# KiCad board motordriver.kicad_pcb
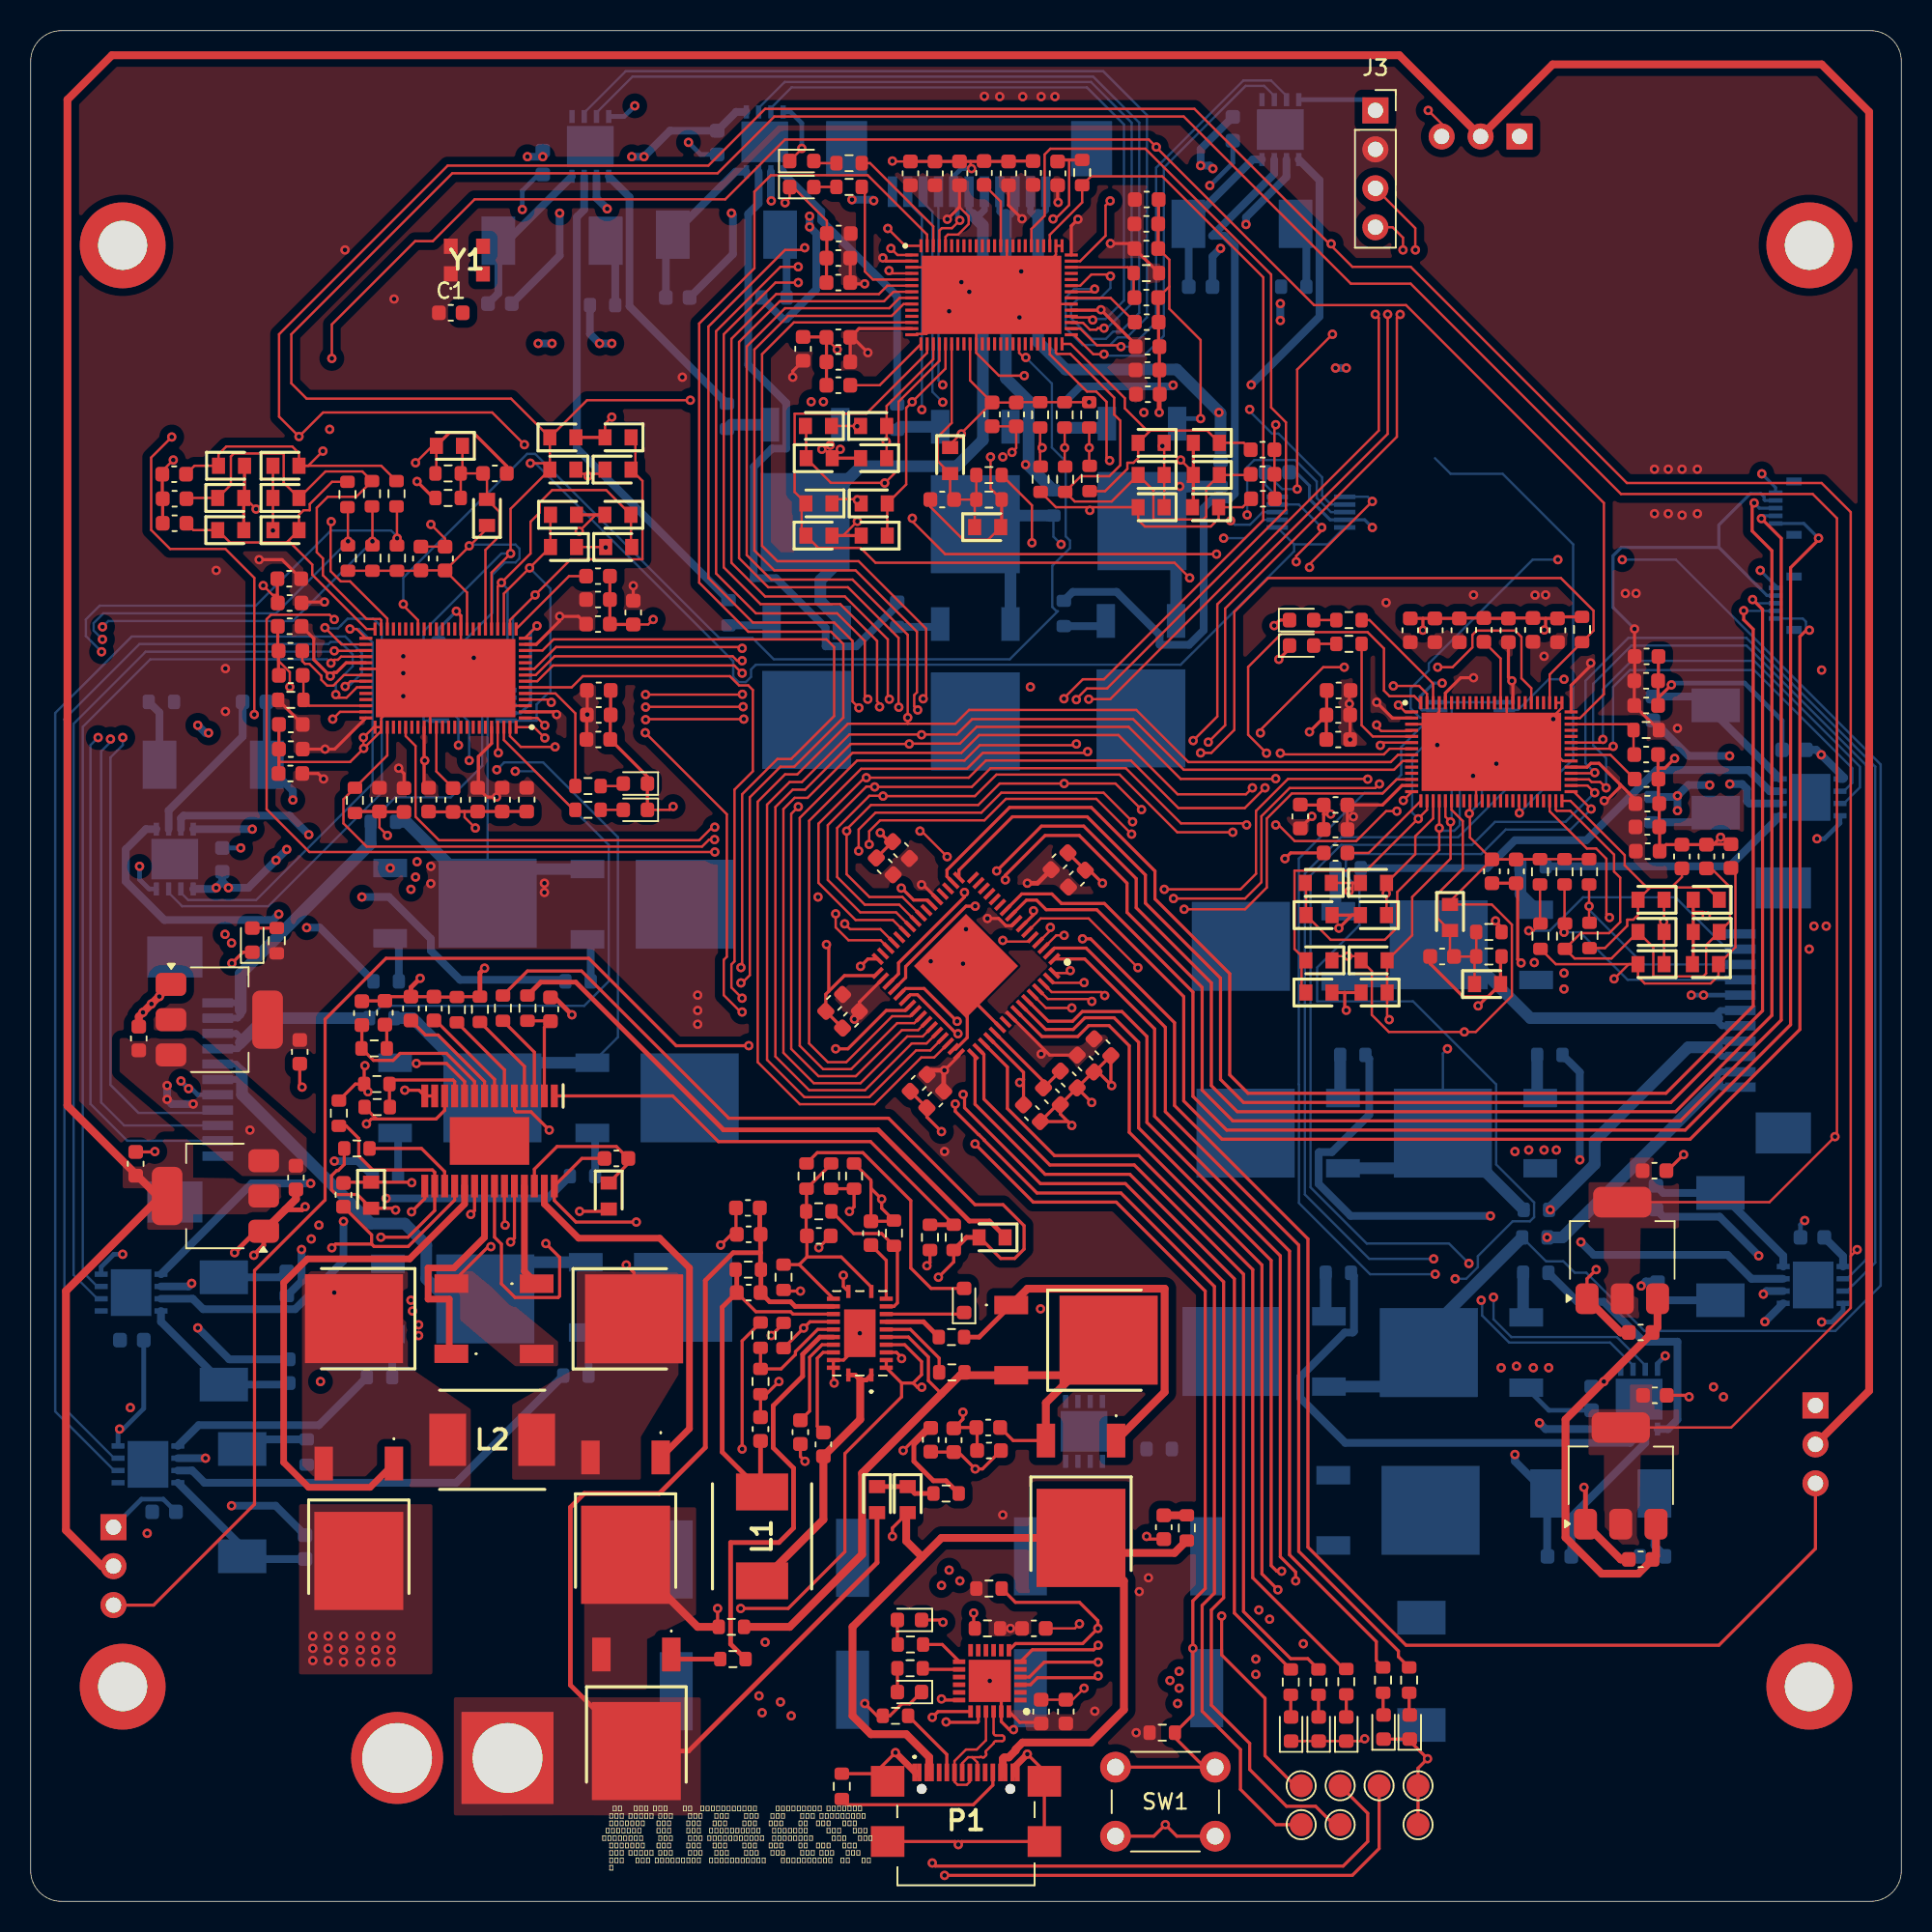
[diagram p0: board, top side]
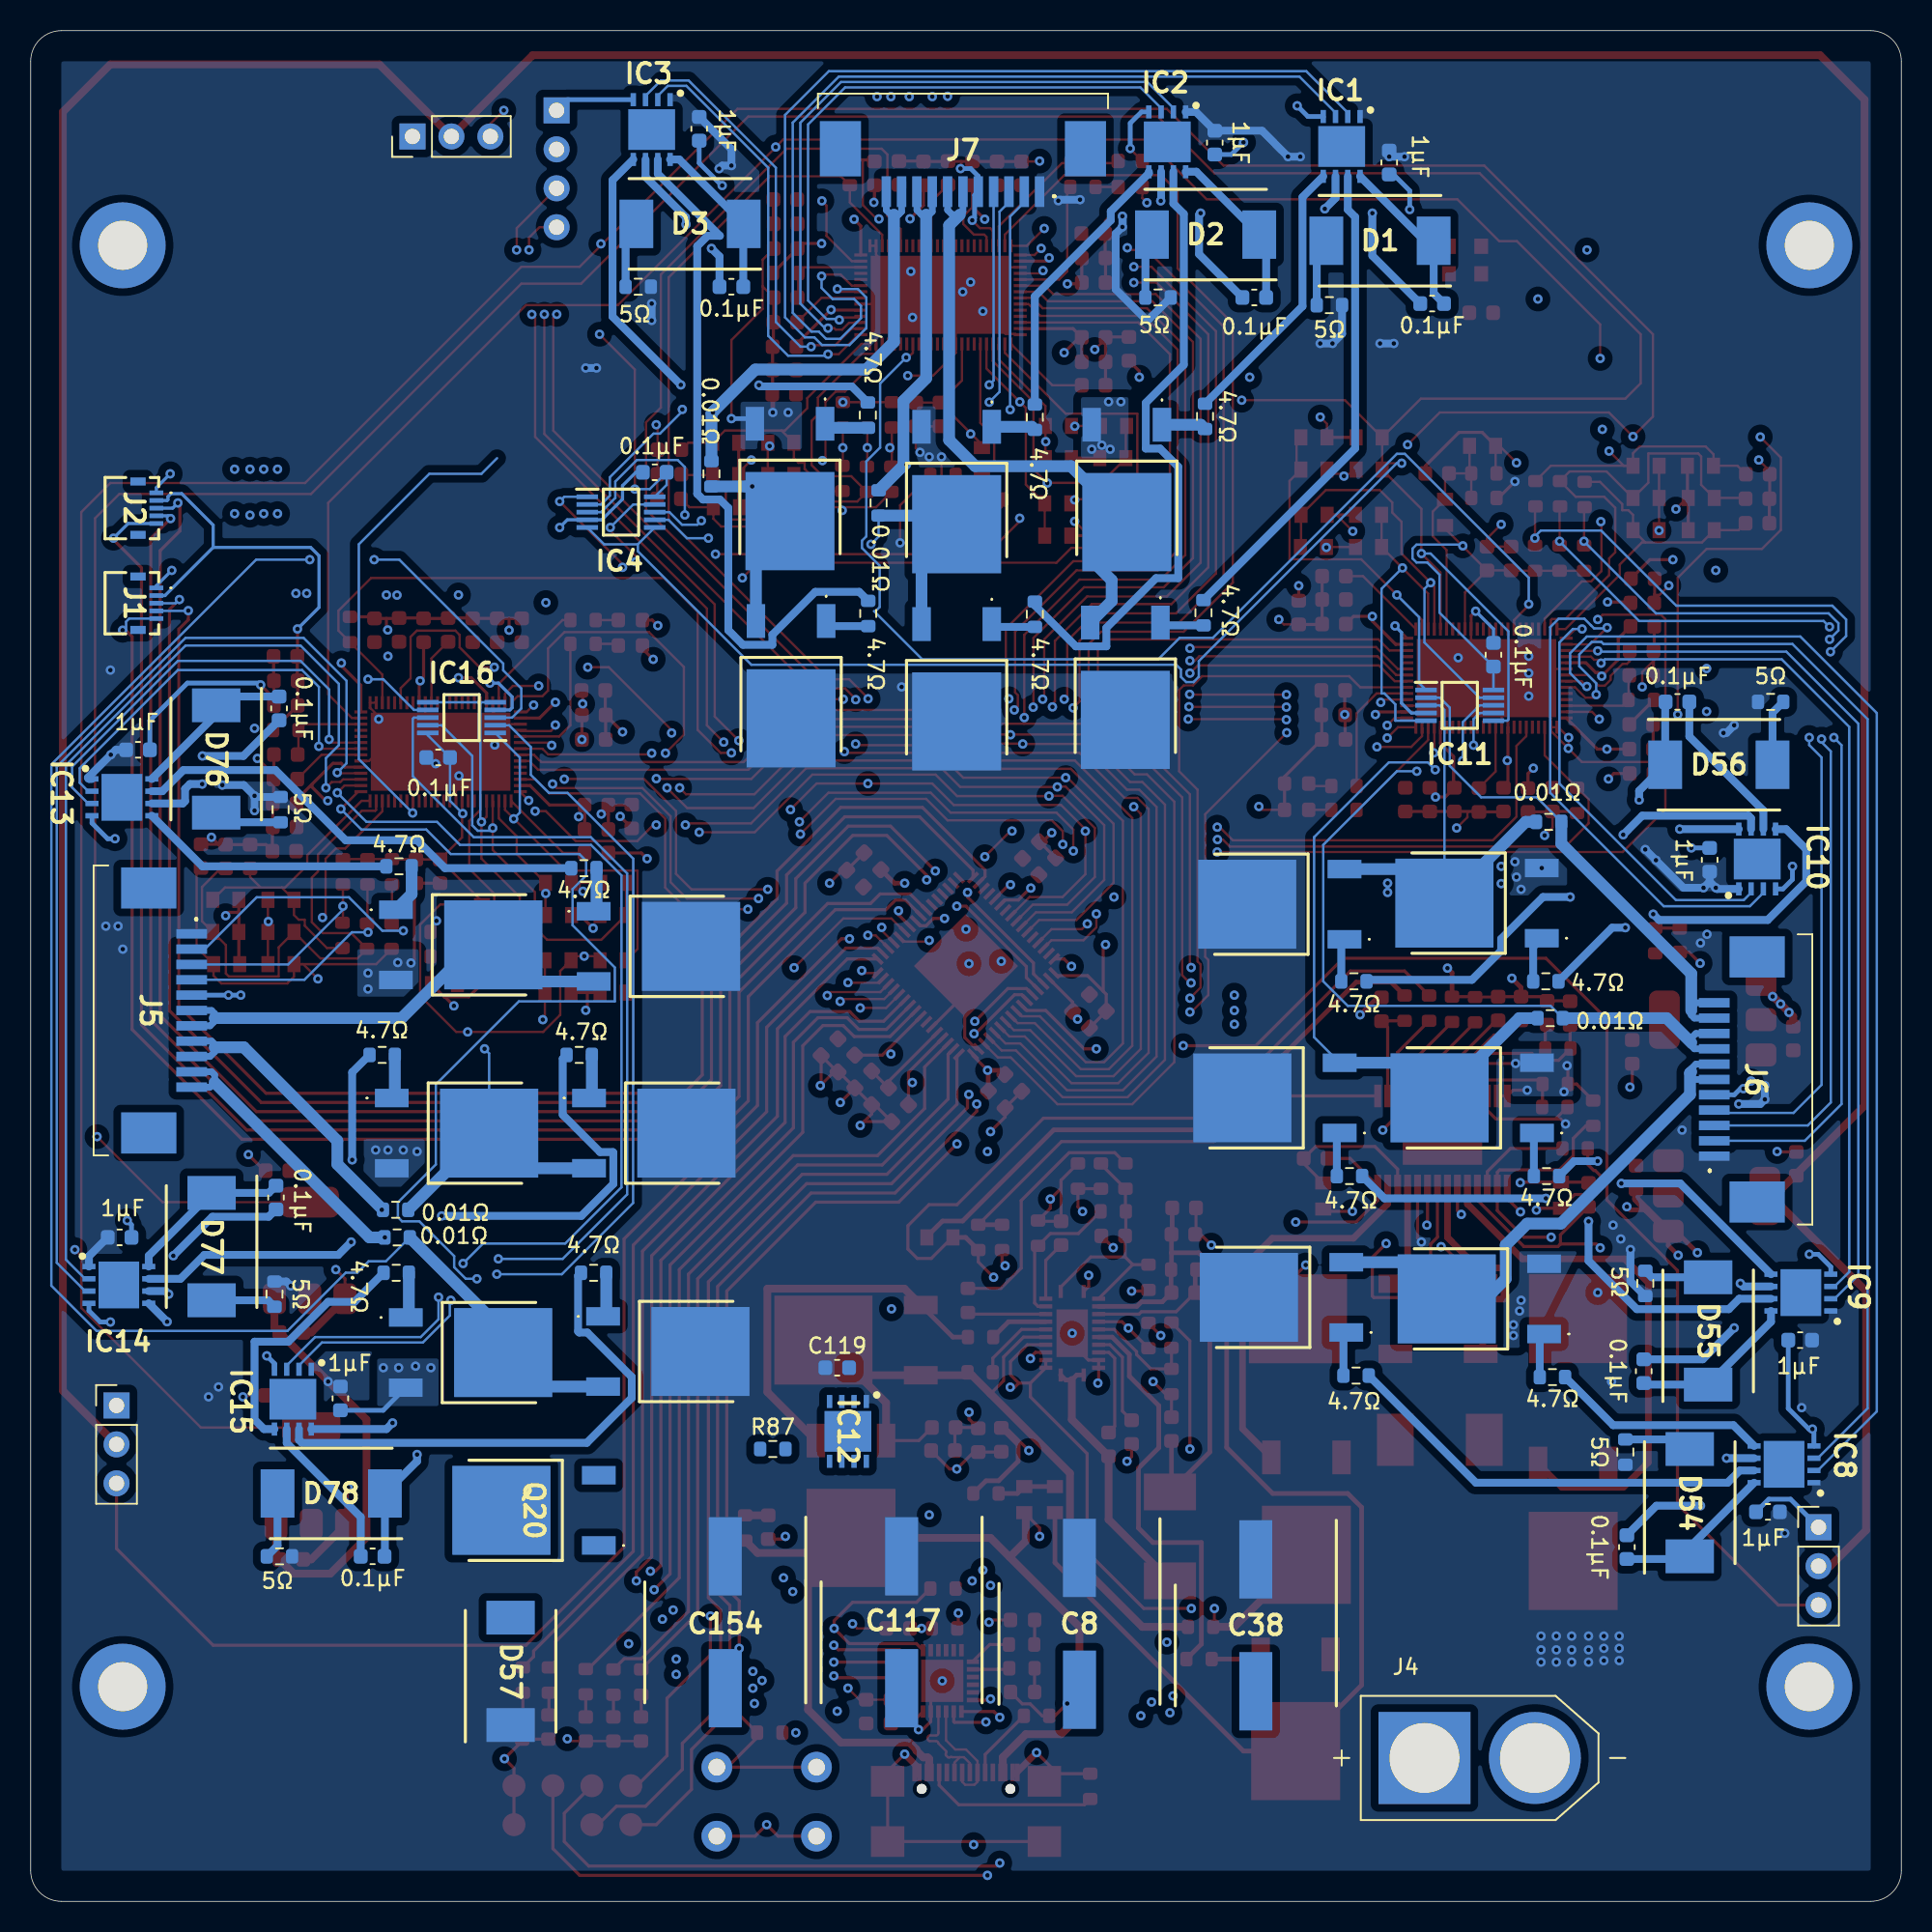
[diagram p1: board, bottom side, seen from below]

Outline 122 x 122 mm; copper layers: Top, In1.Cu, In2.Cu, Bottom. Coordinates in mm from the lower left corner of the outline.
Outline path: 0,120 arc(0.59,121.41) 2,122 120,122 arc(121.41,121.41) 122,120 122,2 arc(121.41,0.59) 120,0 2,0 arc(0.59,0.59) 0,2 0,120
Stack: Top 0.035mm / dielectric 0.1mm FR4 er 4.5 / In1.Cu 0.035mm / dielectric 1.24mm FR4 er 4.5 / In2.Cu 0.035mm / dielectric 0.1mm FR4 er 4.5 / Bottom 0.035mm

## Placement (name value [footprint] x y rotation side)
C1  10µF  [C_0603_1608Metric]  27.4 103.6 0 top
C2  0.1µF  [C_0603_1608Metric]  30.6 104.2 180 bottom
C3  1µF  [C_0603_1608Metric]  33.4 113.4 270 bottom
C4  0.1µF  [C_0603_1608Metric]  42.2 104.6 180 bottom
C5  1µF  [C_0603_1608Metric]  44.78 114.7 270 bottom
C6  0.1µF  [C_0603_1608Metric]  76.3 105.3 180 bottom
C7  1µF  [C_0603_1608Metric]  78.4 115.6 270 bottom
C8  220µF 35V  [CAPAE1050X1050N]  53.6 18.1 270 bottom
C9  0.1µF  [C_0603_1608Metric]  26.6 81.3 270 bottom
C10  100nF  [C_0603_1608Metric]  105 37.1 180 top
C11  2.2µF  [C_0603_1608Metric]  73.9 24.4 270 top
C12  2.2µF  [C_0603_1608Metric]  58.7 30.1 270 top
C13  10uF  [C_0603_1608Metric]  105.9 47.65 0 top
C14  10µF  [C_0603_1608Metric]  60.2 30.08 270 top
C15  0.1µF  [C_0603_1608Metric]  54.8 43.58 90 top
C16  100nF  [C_0603_1608Metric]  7.05 56.28 90 top
C17  0.1µF  [C_0603_1608Metric]  62.45 30.9 180 top
C18  1µF  [C_0603_1608Metric]  51.4 43.4 0 top
C19  1µF  [C_0603_1608Metric]  62.5 29.4 0 top
C20  10uF  [C_0603_1608Metric]  17.55 55.4 270 top
C21  0.047µF  [C_0603_1608Metric]  51.7 29.8 270 top
C22  100nF  [C_0603_1608Metric]  17.3 47.2 270 top
C23  1µF  [C_0603_1608Metric]  50.2 30.6 270 top
C24  0.1µF  [C_0603_1608Metric]  47.6 30.8 270 top
C25  0.1µF  [C_0603_1608Metric]  46.82 39.7 0 top
C26  10uF  [C_0603_1608Metric]  6.85 48.1 90 top
C27  10µF  [C_0603_1608Metric]  46.78 45.22 180 top
C28  100nF  [C_0603_1608Metric]  105 22.3 180 top
C29  10µF  [C_0603_1608Metric]  46.82 43.5 180 top
C30  10nF  [C_0603_1608Metric]  33.9 58.17 90 top
C31  10uF  [C_0603_1608Metric]  105.93 33 0 top
C32  33nF  [C_0603_1608Metric]  23.1 57.95 270 top
C33  470pF  [C_0603_1608Metric]  21.6 57.92 270 top
C34  15nF  [C_0603_1608Metric]  24.8 58.22 270 top
C35  100nF  [C_0603_1608Metric]  38.2 48.45 180 top
C36  220pF  [C_0603_1608Metric]  26.3 58.22 270 top
C37  100nF  [C_0603_1608Metric]  20.4 46.08 270 top
C38  220µF 35V  [CAPAE1050X1050N]  42.1 18 270 bottom
C39  100nF  [C_0603_1608Metric]  66.97 112.69 270 top
C40  100nF  [C_0603_1608Metric]  72.86 98.29 180 top
C41  100nF  [C_0603_1608Metric]  72.78 110.99 180 top
C42  100nF  [C_0603_1608Metric]  52.7 108.77 0 top
C43  100pF  [C_0603_1608Metric]  80.34 94.67 180 top
C44  100nF  [C_0603_1608Metric]  52.68 102 0 top
C45  100nF  [C_0603_1608Metric]  62.18 112.72 270 top
C46  100pF  [C_0603_1608Metric]  80.34 93.07 180 top
C47  100pF  [C_0603_1608Metric]  80.37 91.47 180 top
C48  100nF  [C_0603_1608Metric]  58.97 112.69 270 top
C49  4.7µF  [C_0603_1608Metric]  57.38 112.69 270 top
C50  470nF  [C_0603_1608Metric]  72.84 99.87 180 top
C51  4.7µF  [C_0603_1608Metric]  72.84 101.39 180 top
C52  100nF  [C_0603_1608Metric]  72.76 104.59 0 top
C53  470nF  [C_0603_1608Metric]  72.76 109.4 180 top
C54  4.7µF  [C_0603_1608Metric]  72.76 107.79 180 top
C55  470nF  [C_0603_1608Metric]  60.57 112.69 270 top
C56  4.7µF  [C_0603_1608Metric]  63.78 112.69 270 top
C57  470nF  [C_0603_1608Metric]  65.38 112.72 270 top
C58  100nF  [C_0603_1608Metric]  72.78 102.99 180 top
C59  4.7µF  [C_0603_1608Metric]  52.68 105.57 0 top
C60  470nF  [C_0603_1608Metric]  52.68 107.17 0 top
C61  100nF  [C_0603_1608Metric]  52.68 98.88 0 top
C62  4.7µF  [C_0603_1608Metric]  52.68 100.4 0 top
C63  470nF  [C_0603_1608Metric]  50.38 101.25 270 top
C64  4.7µF  [C_0603_1608Metric]  64.28 96.97 90 top
C65  10nF  [C_0603_1608Metric]  59.45 91.42 0 top
C66  100nF  [C_0603_1608Metric]  62.7 96.97 90 top
C67  100nF  [C_0603_1608Metric]  69.9 55.7 315 top
C68  10µF  [C_0603_1608Metric]  68.8 54.64 315 top
C69  10µF  [C_0603_1608Metric]  56.76 68.56 135 top
C70  100nF  [C_0603_1608Metric]  55.7 67.5 135 top
C71  10µF  [C_0603_1608Metric]  68.23 66.7 45 top
C72  100nF  [C_0603_1608Metric]  67.1 67.83 45 top
C73  10µF  [C_0603_1608Metric]  53.5 57.5 225 top
C74  100nF  [C_0603_1608Metric]  52.4 58.6 225 top
C75  10µF  [C_0603_1608Metric]  59 52.29 225 top
C76  100nF  [C_0603_1608Metric]  57.92 53.37 225 top
C77  100nF  [C_0603_1608Metric]  65.9 12.38 90 top
C78  10µF  [C_0603_1608Metric]  67.51 12.38 90 top
C79  100nF  [C_0603_1608Metric]  66.6 52.5 135 top
C80  4.7µF  [C_0603_1608Metric]  67.7 53.6 135 top
C81  100nF  [C_0603_1608Metric]  65.3 51.4 315 top
C82  100nF  [C_0603_1608Metric]  65.43 17.8 0 top
C83  100nF  [C_0603_1608Metric]  22.75 71.85 90 top
C84  100nF  [C_0603_1608Metric]  16.86 86.25 0 top
C85  100nF  [C_0603_1608Metric]  16.94 73.56 0 top
C86  100nF  [C_0603_1608Metric]  37.02 75.78 180 top
C87  100pF  [C_0603_1608Metric]  9.38 89.88 0 top
C88  100nF  [C_0603_1608Metric]  37 83.3 180 top
C89  100nF  [C_0603_1608Metric]  27.55 71.83 90 top
C90  100pF  [C_0603_1608Metric]  9.38 91.47 0 top
C91  100pF  [C_0603_1608Metric]  9.36 93.08 0 top
C92  100nF  [C_0603_1608Metric]  30.75 71.85 90 top
C93  4.7µF  [C_0603_1608Metric]  32.35 71.85 90 top
C94  470nF  [C_0603_1608Metric]  16.89 84.67 0 top
C95  4.7µF  [C_0603_1608Metric]  16.89 83.16 0 top
C96  100nF  [C_0603_1608Metric]  16.96 79.95 180 top
C97  470nF  [C_0603_1608Metric]  16.96 75.14 0 top
C98  4.7µF  [C_0603_1608Metric]  16.96 76.75 0 top
C99  470nF  [C_0603_1608Metric]  29.15 71.85 90 top
C100  4.7µF  [C_0603_1608Metric]  25.95 71.85 90 top
C101  470nF  [C_0603_1608Metric]  24.35 71.83 90 top
C102  100nF  [C_0603_1608Metric]  16.94 81.56 0 top
C103  4.7µF  [C_0603_1608Metric]  37.05 78.97 180 top
C104  470nF  [C_0603_1608Metric]  37.05 77.38 180 top
C105  100nF  [C_0603_1608Metric]  37 86.42 180 top
C106  4.7µF  [C_0603_1608Metric]  37 84.9 180 top
C107  470nF  [C_0603_1608Metric]  39.3 84.05 90 top
C108  4.7µF  [C_0603_1608Metric]  25.45 87.58 270 top
C109  10nF  [C_0603_1608Metric]  30.27 93.12 180 top
C110  100nF  [C_0603_1608Metric]  27.02 87.57 270 top
C111  0.1µF  [C_0603_1608Metric]  17.9 23.1 270 bottom
C112  1µF  [C_0603_1608Metric]  8.7 25.4 0 bottom
C113  0.1µF  [C_0603_1608Metric]  16.8 34.58 270 bottom
C114  1µF  [C_0603_1608Metric]  6.6 36.6 0 bottom
C115  0.1µF  [C_0603_1608Metric]  14.6 78.22 0 bottom
C116  1µF  [C_0603_1608Metric]  12.5 67.92 90 bottom
C117  220µF 35V  [CAPAE1050X1050N]  65.2 18.2 270 bottom
C118  0.1µF  [C_0603_1608Metric]  95.43 74.6 180 bottom
C119  1µF  [C_0603_1608Metric]  69.4 34.8 180 bottom
C120  100nF  [C_0603_1608Metric]  99.57 82.89 270 top
C121  100nF  [C_0603_1608Metric]  105.46 68.49 180 top
C122  100nF  [C_0603_1608Metric]  105.38 81.19 180 top
C123  100nF  [C_0603_1608Metric]  85.3 78.97 0 top
C124  100pF  [C_0603_1608Metric]  107.69 68.14 270 top
C125  100nF  [C_0603_1608Metric]  85.1 71.5 0 top
C126  100nF  [C_0603_1608Metric]  94.78 82.92 270 top
C127  100pF  [C_0603_1608Metric]  109.29 68.14 270 top
C128  100pF  [C_0603_1608Metric]  110.89 68.17 270 top
C129  100nF  [C_0603_1608Metric]  91.57 82.89 270 top
C130  4.7µF  [C_0603_1608Metric]  89.97 82.89 270 top
C131  470nF  [C_0603_1608Metric]  105.44 70.07 180 top
C132  4.7µF  [C_0603_1608Metric]  105.44 71.59 180 top
C133  100nF  [C_0603_1608Metric]  105.36 74.79 0 top
C134  470nF  [C_0603_1608Metric]  105.36 79.6 180 top
C135  4.7µF  [C_0603_1608Metric]  105.36 77.99 180 top
C136  470nF  [C_0603_1608Metric]  93.18 82.89 270 top
C137  4.7µF  [C_0603_1608Metric]  96.38 82.89 270 top
C138  470nF  [C_0603_1608Metric]  97.97 82.92 270 top
C139  100nF  [C_0603_1608Metric]  105.38 73.19 180 top
C140  4.7µF  [C_0603_1608Metric]  85.28 75.77 0 top
C141  470nF  [C_0603_1608Metric]  85.28 77.37 0 top
C142  100nF  [C_0603_1608Metric]  85.1 68.38 0 top
C143  4.7µF  [C_0603_1608Metric]  85.1 69.9 0 top
C144  470nF  [C_0603_1608Metric]  82.8 70.75 270 top
C145  4.7µF  [C_0603_1608Metric]  96.88 67.17 90 top
C146  10nF  [C_0603_1608Metric]  92.05 61.62 0 top
C147  100nF  [C_0603_1608Metric]  95.3 67.17 90 top
C148  0.1µF  [C_0603_1608Metric]  105.8 77.8 90 bottom
C149  1µF  [C_0603_1608Metric]  115 75.1 180 bottom
C150  0.1µF  [C_0603_1608Metric]  106 45.9 90 bottom
C151  1µF  [C_0603_1608Metric]  116.2 43.3 180 bottom
C152  0.1µF  [C_0603_1608Metric]  99.7 22.5 180 bottom
C153  1µF  [C_0603_1608Metric]  101.8 32.8 270 bottom
C154  220µF 35V  [CAPAE1050X1050N]  76.7 18.2 270 bottom
C155  0.1µF  [C_0603_1608Metric]  81.3 93.2 180 bottom
D1  4A 40V  [DIOM7959X262N]  34 108.3 0 bottom
D2  4A 40V  [DIOM7959X262N]  45.38 108.7 0 bottom
D3  4A 40V  [DIOM7959X262N]  79 109.4 0 bottom
D4  4.7Vf 0.5A  [DIOC1709X85N]  55.2 26.2 270 top
D5  4.7Vf 0.5A  [DIOC1709X85N]  57.2 26.2 270 top
D6  LED  [D_0603_1608Metric]  60.88 39.19 90 top
D7  4.7Vf 0.5A  [DIOC1709X85N]  62.7 43.3 180 top
D8  PWR  [D_0603_1608Metric]  14.45 62.69 90 top
D9  4.7Vf 0.5A  [DIOC1709X85N]  22.2 46.05 270 top
D10  4.7Vf 0.5A  [DIOC1709X85N]  37.7 46 270 top
D11  4.7Vf 0.5A  [DIOC1709X85N]  51.41 91.17 180 top
D12  4.7Vf 0.5A  [DIOC1709X85N]  51.41 89.07 0 top
D13  4.7Vf 0.5A  [DIOC1709X85N]  51.38 96.22 180 top
D14  4.7Vf 0.5A  [DIOC1709X85N]  51.43 94.12 0 top
D15  4.7Vf 0.5A  [DIOC1709X85N]  55.01 91.17 0 top
D16  4.7Vf 0.5A  [DIOC1709X85N]  55.01 89.07 180 top
D17  4.7Vf 0.5A  [DIOC1709X85N]  54.97 96.22 0 top
D18  4.7Vf 0.5A  [DIOC1709X85N]  54.97 94.12 180 top
D19  4.7Vf 0.5A  [DIOC1709X85N]  73.07 90.92 180 top
D20  4.7Vf 0.5A  [DIOC1709X85N]  76.62 90.92 180 top
D21  4.7Vf 0.5A  [DIOC1709X85N]  73.07 93.02 180 top
D22  4.7Vf 0.5A  [DIOC1709X85N]  76.68 93.02 180 top
D23  LED  [D_0603_1608Metric]  50.29 113.5 0 top
D24  4.7Vf 0.5A  [DIOC1709X85N]  73.07 95.12 180 top
D25  4.7Vf 0.5A  [DIOC1709X85N]  76.68 95.12 180 top
D26  LED  [D_0603_1608Metric]  50.29 111.8 0 top
D27  4.7Vf 0.5A  [DIOC1709X85N]  59.97 93.96 270 top
D28  4.7Vf 0.5A  [DIOC1709X85N]  62.41 89.62 0 top
D29  LED  [D_0603_1608Metric]  89.94 11.37 90 top
D30  LED  [D_0603_1608Metric]  88.23 11.37 90 top
D31  LED  [D_0603_1608Metric]  82.2 11.24 90 top
D32  LED  [D_0603_1608Metric]  84 11.24 90 top
D33  LED  [D_0603_1608Metric]  85.8 11.24 90 top
D34  RUN_LED  [D_0603_1608Metric]  57.31 18.35 180 top
D35  CONNECT_LED  [D_0603_1608Metric]  57.31 13.65 180 top
D36  4.7Vf 0.5A  [DIOC1709X85N]  38.31 93.38 0 top
D37  4.7Vf 0.5A  [DIOC1709X85N]  38.31 95.47 180 top
D38  4.7Vf 0.5A  [DIOC1709X85N]  38.35 88.33 0 top
D39  4.7Vf 0.5A  [DIOC1709X85N]  38.3 90.42 180 top
D40  4.7Vf 0.5A  [DIOC1709X85N]  34.71 93.38 180 top
D41  4.7Vf 0.5A  [DIOC1709X85N]  34.71 95.47 0 top
D42  4.7Vf 0.5A  [DIOC1709X85N]  34.75 88.33 180 top
D43  4.7Vf 0.5A  [DIOC1709X85N]  34.75 90.42 0 top
D44  4.7Vf 0.5A  [DIOC1709X85N]  16.65 93.62 0 top
D45  4.7Vf 0.5A  [DIOC1709X85N]  13.1 93.62 0 top
D46  4.7Vf 0.5A  [DIOC1709X85N]  16.65 91.53 0 top
D47  4.7Vf 0.5A  [DIOC1709X85N]  13.05 91.53 0 top
D48  LED  [D_0603_1608Metric]  39.44 71.19 180 top
D49  4.7Vf 0.5A  [DIOC1709X85N]  16.65 89.42 0 top
D50  4.7Vf 0.5A  [DIOC1709X85N]  13.05 89.42 0 top
D51  LED  [D_0603_1608Metric]  39.44 72.9 180 top
D52  4.7Vf 0.5A  [DIOC1709X85N]  29.76 90.58 90 top
D53  4.7Vf 0.5A  [DIOC1709X85N]  27.31 94.92 180 top
D54  4A 40V  [DIOM7959X262N]  13.8 26 90 bottom
D55  4A 40V  [DIOM7959X262N]  12.6 37.2 90 bottom
D56  4A 40V  [DIOM7959X262N]  11.9 74.12 180 bottom
D57  4A 40V  [DIOM7959X262N]  90.7 15 90 bottom
D58  4.7Vf 0.5A  [DIOC1709X85N]  84.01 61.37 180 top
D59  4.7Vf 0.5A  [DIOC1709X85N]  84.01 59.27 0 top
D60  4.7Vf 0.5A  [DIOC1709X85N]  83.97 66.42 180 top
D61  4.7Vf 0.5A  [DIOC1709X85N]  84.03 64.32 0 top
D62  4.7Vf 0.5A  [DIOC1709X85N]  87.62 61.37 0 top
D63  4.7Vf 0.5A  [DIOC1709X85N]  87.62 59.27 180 top
D64  4.7Vf 0.5A  [DIOC1709X85N]  87.57 66.42 0 top
D65  4.7Vf 0.5A  [DIOC1709X85N]  87.57 64.32 180 top
D66  4.7Vf 0.5A  [DIOC1709X85N]  105.68 61.12 180 top
D67  4.7Vf 0.5A  [DIOC1709X85N]  109.22 61.12 180 top
D68  4.7Vf 0.5A  [DIOC1709X85N]  105.68 63.22 180 top
D69  4.7Vf 0.5A  [DIOC1709X85N]  109.28 63.22 180 top
D70  LED  [D_0603_1608Metric]  82.89 83.56 0 top
D71  4.7Vf 0.5A  [DIOC1709X85N]  105.68 65.32 180 top
D72  4.7Vf 0.5A  [DIOC1709X85N]  109.28 65.32 180 top
D73  LED  [D_0603_1608Metric]  82.89 81.9 0 top
D74  4.7Vf 0.5A  [DIOC1709X85N]  92.56 64.16 270 top
D75  4.7Vf 0.5A  [DIOC1709X85N]  95.01 59.82 0 top
D76  4A 40V  [DIOM7959X262N]  109.9 74.5 270 bottom
D77  4A 40V  [DIOM7959X262N]  110.2 42.7 270 bottom
D78  4A 40V  [DIOM7959X262N]  102.4 26.6 0 bottom
H1  MountingHole_Pad  [MountingHole_3.2mm_M3_DIN965_Pad]  6 108 0 top
H2  MountingHole_Pad  [MountingHole_3.2mm_M3_DIN965_Pad]  116 108 0 top
H3  MountingHole_Pad  [MountingHole_3.2mm_M3_DIN965_Pad]  116 14 0 top
H4  MountingHole_Pad  [MountingHole_3.2mm_M3_DIN965_Pad]  6 14 0 top
IC1  LM5109BSDX_NOPB  [SON80P400X400X80-9N]  36.5 114.45 270 bottom
IC2  LM5109BSDX_NOPB  [SON80P400X400X80-9N]  47.87 114.75 270 bottom
IC3  LM5109BSDX_NOPB  [SON80P400X400X80-9N]  81.5 115.55 270 bottom
IC4  INA2181A2IDGSR  [SOP50P490X110-10N]  83.5 90.6 180 bottom
IC5  -  [BQ24133RGYR]  54.07 37.05 90 top
IC6  LM5176PWPR  [SOP65P640X120-29N]  29.92 49.59 270 top
IC7  ATSAME53J18A-MF  [QFN50P900X900X100-65N-D]  61 61 225 top
IC8  LM5109BSDX_NOPB  [SON80P400X400X80-9N]  7.65 28.5 0 bottom
IC9  LM5109BSDX_NOPB  [SON80P400X400X80-9N]  6.55 39.7 0 bottom
IC10  LM5109BSDX_NOPB  [SON80P400X400X80-9N]  9.4 67.97 90 bottom
IC11  INA2181A2IDGSR  [SOP50P490X110-10N]  28.8 78 180 bottom
IC12  LM5109BSDX_NOPB  [SON80P400X400X80-9N]  68.7 30.65 270 bottom
IC13  LM5109BSDX_NOPB  [SON80P400X400X80-9N]  116.05 72 180 bottom
IC14  LM5109BSDX_NOPB  [SON80P400X400X80-9N]  116.25 40.2 180 bottom
IC15  LM5109BSDX_NOPB  [SON80P400X400X80-9N]  104.9 32.75 270 bottom
IC16  INA2181A2IDGSR  [SOP50P490X110-10N]  93.9 77.2 0 bottom
J1  IMU1  [59453052110ECHLF]  115.4 84.66 270 bottom
J2  IMU2  [59453052110ECHLF]  115.4 90.86 270 bottom
J3  Conn_01x04_Socket  [PinSocket_1x04_P2.54mm_Vertical]  87.7 116.8 0 top
J4  XT60-M  [AMASS_XT60-M]  27.5 9.35 180 bottom
J5  1-84952-1  [1849521]  115.2 58.1 270 bottom
J6  1-84952-1  [1849521]  8.5 53.6 90 bottom
J7  1-84952-1  [1849521]  61.2 115.2 0 bottom
L1  3.3µH  [INDPM6965X300N]  47.7 23.8 90 top
L2  1µH 22A  [INDPM6965X300N]  30.1 30.1 180 top
P1  USB_C_Plug_USB2.0  [USB4110GFA]  61 4.73 0 top
Q1  30V 71A  [IPD047N03LF2SATMA1]  72.41 79.27 0 bottom
Q2  30V 71A  [IPD047N03LF2SATMA1]  72.48 92.13 0 bottom
Q3  30V 71A  [IPD047N03LF2SATMA1]  61.61 79.06 0 bottom
Q4  30V 71A  [IPD047N03LF2SATMA1]  61.61 91.93 0 bottom
Q5  30V 71A  [IPD047N03LF2SATMA1]  50.61 79.17 0 bottom
Q6  30V 71A  [IPD047N03LF2SATMA1]  50.51 92.06 0 bottom
Q7  30V 71A  [IPD047N03LF2SATMA1]  68.5 25.81 180 top
Q8  30V 71A  [IPD047N03LF2SATMA1]  68.19 36.6 270 top
Q9  40V 70A  [IPD70P04P4L08ATMA2]  39.5 10.88 180 top
Q10  30V 71A  [IPD047N03LF2SATMA1]  38.8 24.72 180 top
Q11  30V 71A  [IPD047N03LF2SATMA1]  37.23 37.99 270 top
Q12  30V 71A  [IPD047N03LF2SATMA1]  21.4 24.31 180 top
Q13  30V 71A  [IPD047N03LF2SATMA1]  23.2 38 90 top
Q14  30V 71A  [IPD047N03LF2SATMA1]  40.55 65.03 90 bottom
Q15  30V 71A  [IPD047N03LF2SATMA1]  27.69 65.1 90 bottom
Q16  30V 71A  [IPD047N03LF2SATMA1]  40.87 52.4 90 bottom
Q17  30V 71A  [IPD047N03LF2SATMA1]  28 52.4 90 bottom
Q18  30V 71A  [IPD047N03LF2SATMA1]  40.44 39.39 90 bottom
Q19  30V 71A  [IPD047N03LF2SATMA1]  27.53 39.29 90 bottom
Q20  30V 71A  [IPD047N03LF2SATMA1]  89.19 25.5 90 bottom
Q21  30V 71A  [IPD047N03LF2SATMA1]  80.44 35.86 270 bottom
Q22  30V 71A  [IPD047N03LF2SATMA1]  93.3 35.79 270 bottom
Q23  30V 71A  [IPD047N03LF2SATMA1]  81.35 50.1 270 bottom
Q24  30V 71A  [IPD047N03LF2SATMA1]  94.22 50.1 270 bottom
Q25  30V 71A  [IPD047N03LF2SATMA1]  81.04 62.28 270 bottom
Q26  30V 71A  [IPD047N03LF2SATMA1]  93.94 62.38 270 bottom
R1  5Ω  [R_0603_1608Metric]  37.3 104.1 0 bottom
R2  4.7Ω  [R_0603_1608Metric]  45.51 84.04 270 bottom
R3  4.7Ω  [R_0603_1608Metric]  45.41 96.84 90 bottom
R4  5Ω  [R_0603_1608Metric]  48.47 104.6 0 bottom
R5  4.7Ω  [R_0603_1608Metric]  56.51 83.94 270 bottom
R6  4.7Ω  [R_0603_1608Metric]  56.51 96.79 90 bottom
R7  5Ω  [R_0603_1608Metric]  82.38 105.3 0 bottom
R8  4.7Ω  [R_0603_1608Metric]  67.38 83.99 270 bottom
R9  4.7Ω  [R_0603_1608Metric]  67.4 96.92 90 bottom
R10  0.01Ω  [R_0603_1608Metric]  77.6 93.1 270 bottom
R11  0.01Ω  [R_0603_1608Metric]  66.7 91.2 270 bottom
R12  10Ω  [R_0603_1608Metric]  59.7 26.6 180 top
R13  2Ω  [R_0603_1608Metric]  75.4 24.35 270 top
R14  1MΩ  [R_0603_1608Metric]  47.6 36.92 90 top
R15  100kΩ  [R_0603_1608Metric]  47.6 33.9 90 top
R16  1.5kΩ  [R_0603_1608Metric]  50.6 47.3 90 top
R17  5.23kΩ  [R_0603_1608Metric]  60.05 36.8 0 top
R18  30.1kΩ  [R_0603_1608Metric]  51.4 45 180 top
R19  4.02kΩ  [R_0603_1608Metric]  56.3 43.58 270 top
R20  4.02kΩ  [R_0603_1608Metric]  60.07 34.5 0 top
R21  20mΩ  [R_0603_1608Metric]  45.7 17.9 0 top
R22  232kΩ  [R_0603_1608Metric]  52.2 47.3 90 top
R23  32.4kΩ  [R_0603_1608Metric]  53.7 47.3 90 top
R24  100kΩ  [R_0603_1608Metric]  49.1 40.7 90 top
R25  32.4kΩ  [R_0603_1608Metric]  49.1 36.9 270 top
R26  1kΩ  [R_0603_1608Metric]  45.8 15.8 0 top
R27  10mΩ  [R_0603_1608Metric]  46.8 41.2 180 top
R28  10Ω  [R_0603_1608Metric]  32.4 58.25 90 top
R29  1kΩ  [R_0603_1608Metric]  16.05 62.65 270 top
R30  240kΩ  [R_0603_1608Metric]  60.2 43.3 270 top
R31  133kΩ  [R_0603_1608Metric]  58.65 43.3 90 top
R32  93.1kΩ  [R_0603_1608Metric]  29.3 58.17 270 top
R33  2kΩ  [R_0603_1608Metric]  30.8 58.25 90 top
R34  280kΩ  [R_0603_1608Metric]  22.6 51.8 180 top
R35  20kΩ  [R_0603_1608Metric]  22.58 53.3 0 top
R36  10kΩ  [R_0603_1608Metric]  21.28 49.1 0 top
R37  9.09kΩ  [R_0603_1608Metric]  22.4 55.62 180 top
R38  23.2kΩ  [R_0603_1608Metric]  27.8 58.15 270 top
R39  2mΩ  [R_0603_1608Metric]  20.1 51.4 270 top
R40  5.1kΩ  [R_0603_1608Metric]  56.4 12.1 180 top
R41  5.1kΩ  [R_0603_1608Metric]  52.9 7.5 270 top
R42  10kΩ  [R_0603_1608Metric]  73.8 11 0 top
R43  4.7kΩ  [R_0603_1608Metric]  69.03 96.94 270 top